# Altium PCB Levitador Magnetico.PcbDoc (part 1 of 3)
Units mm, origin at the board's own origin, x right, y up, seen from the top; angles counter-clockwise.
Board outline 150 x 150 mm, 2 copper layers (Top Layer, Bottom Layer), stack 1.571 mm thick; 249 components, 116 nets, 646 pads, 2428 vias.
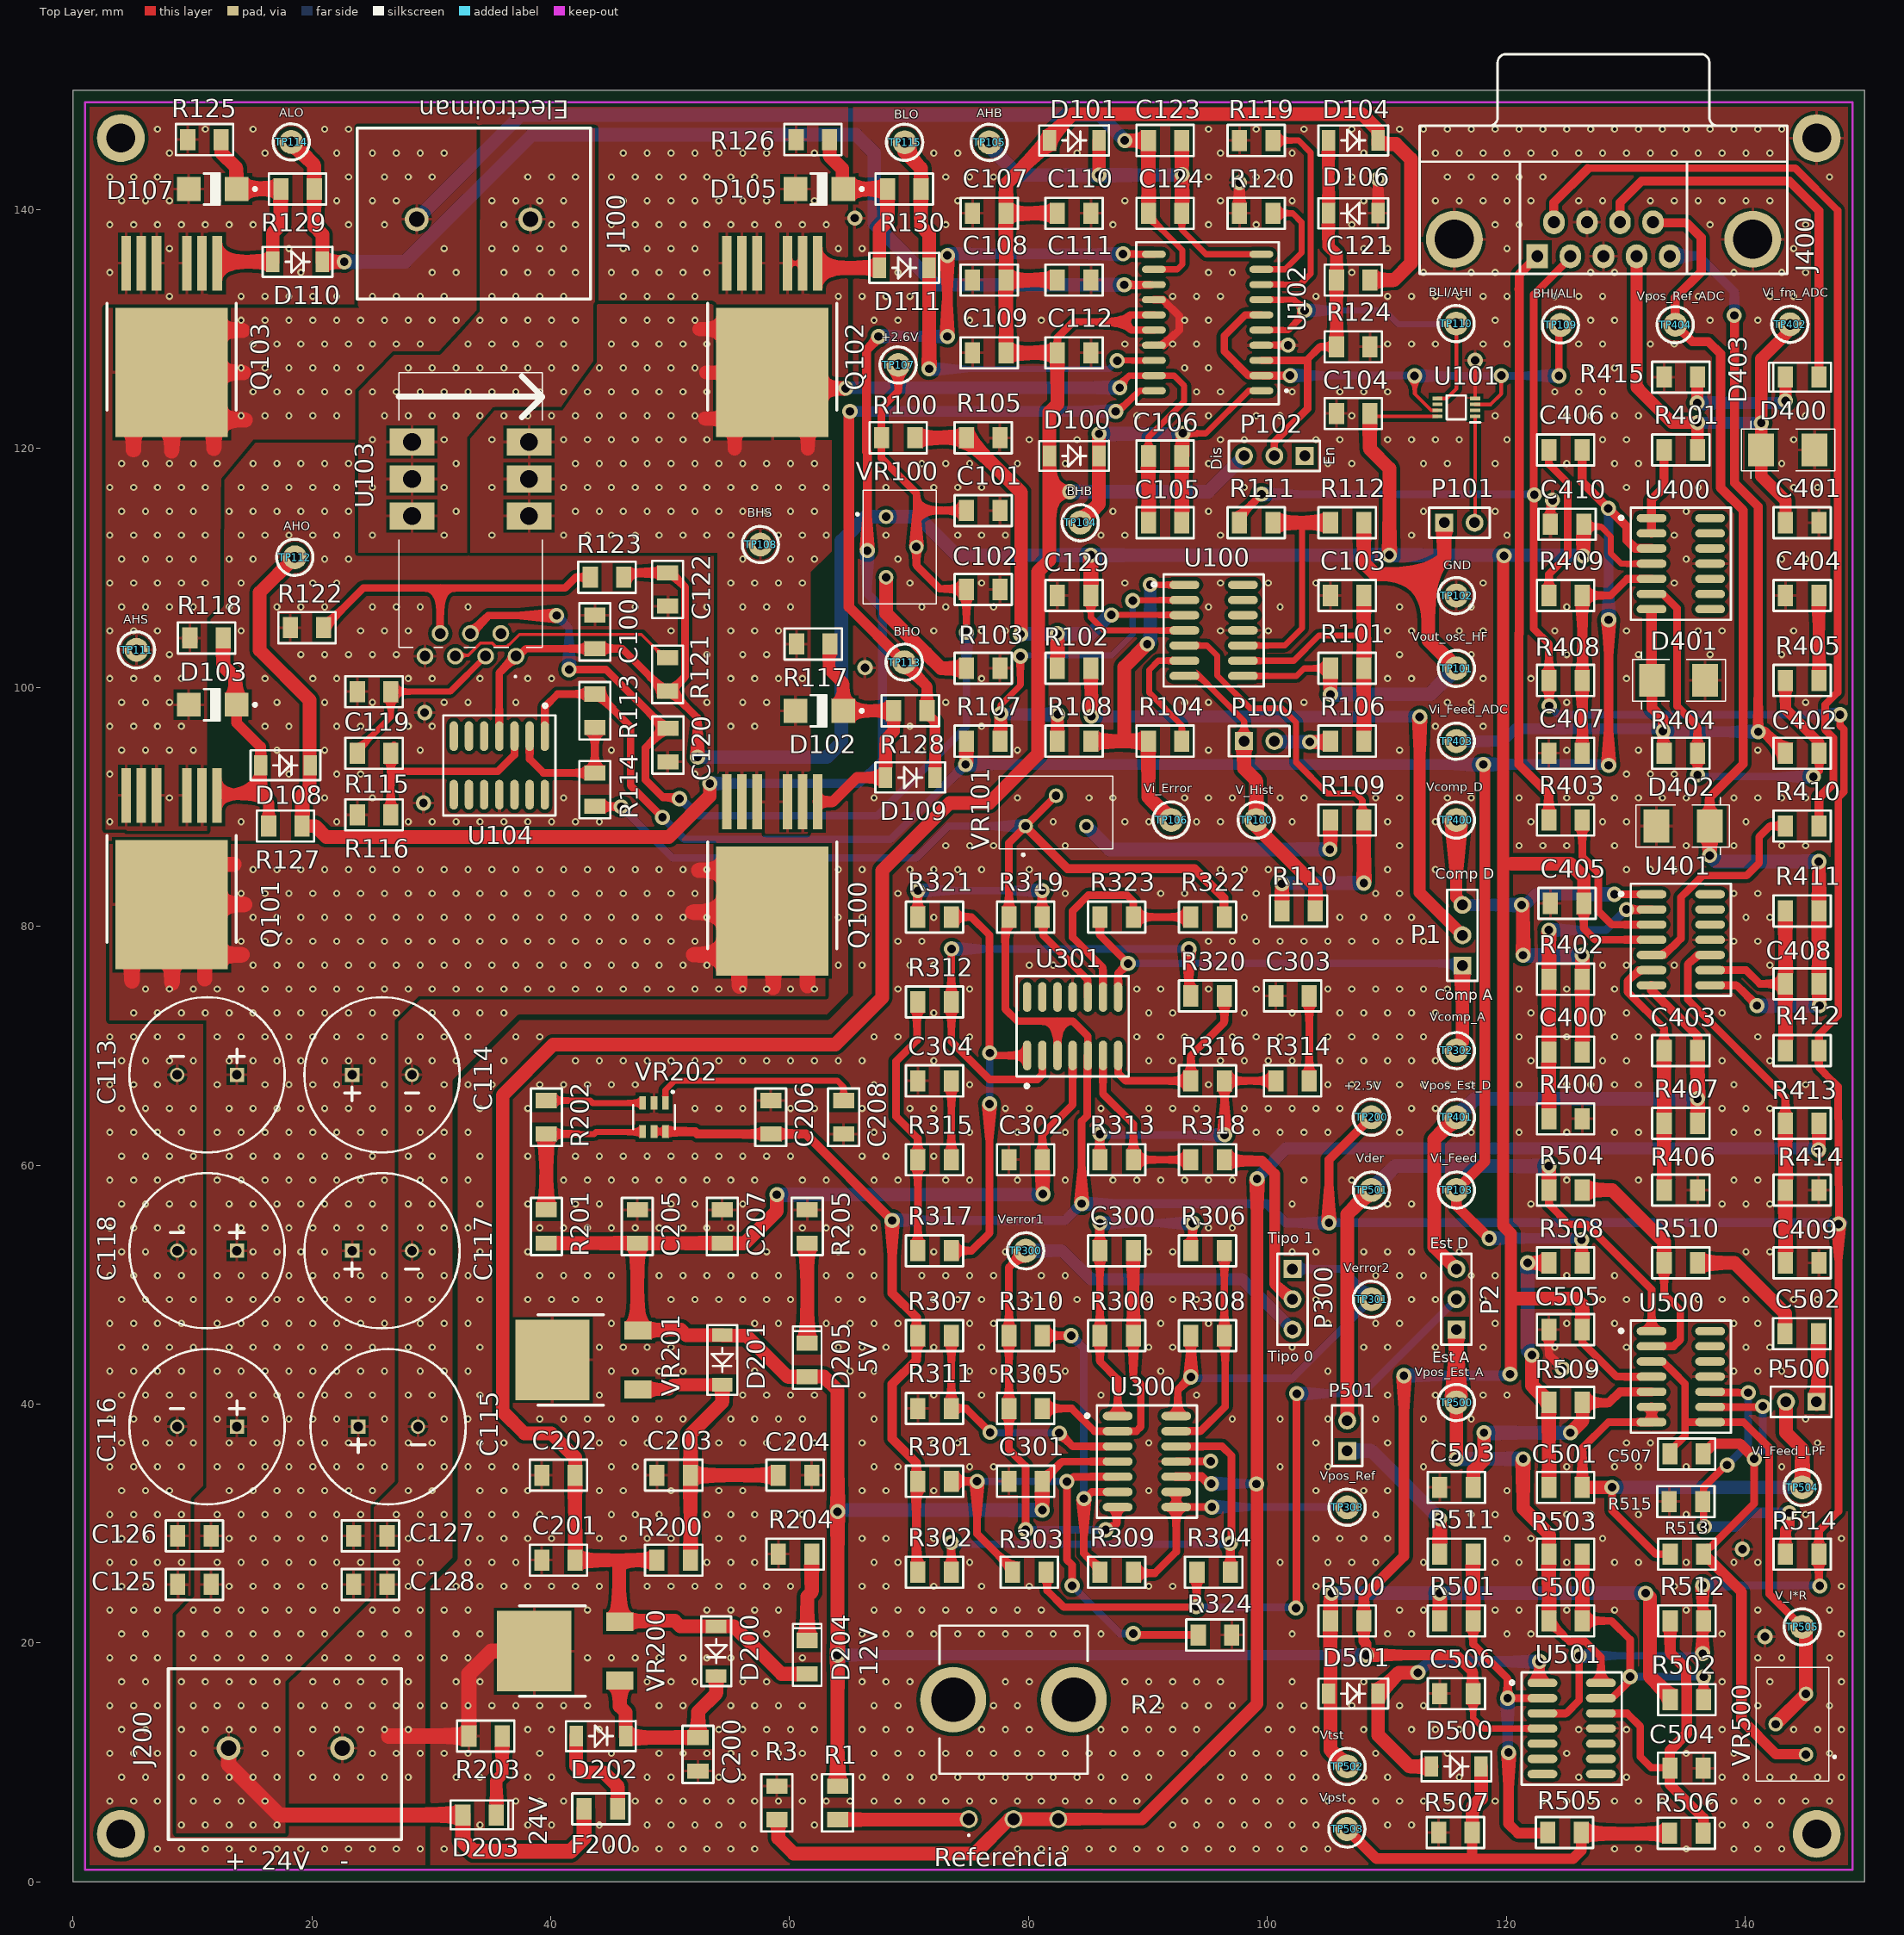
[diagram p0: Top Layer view]
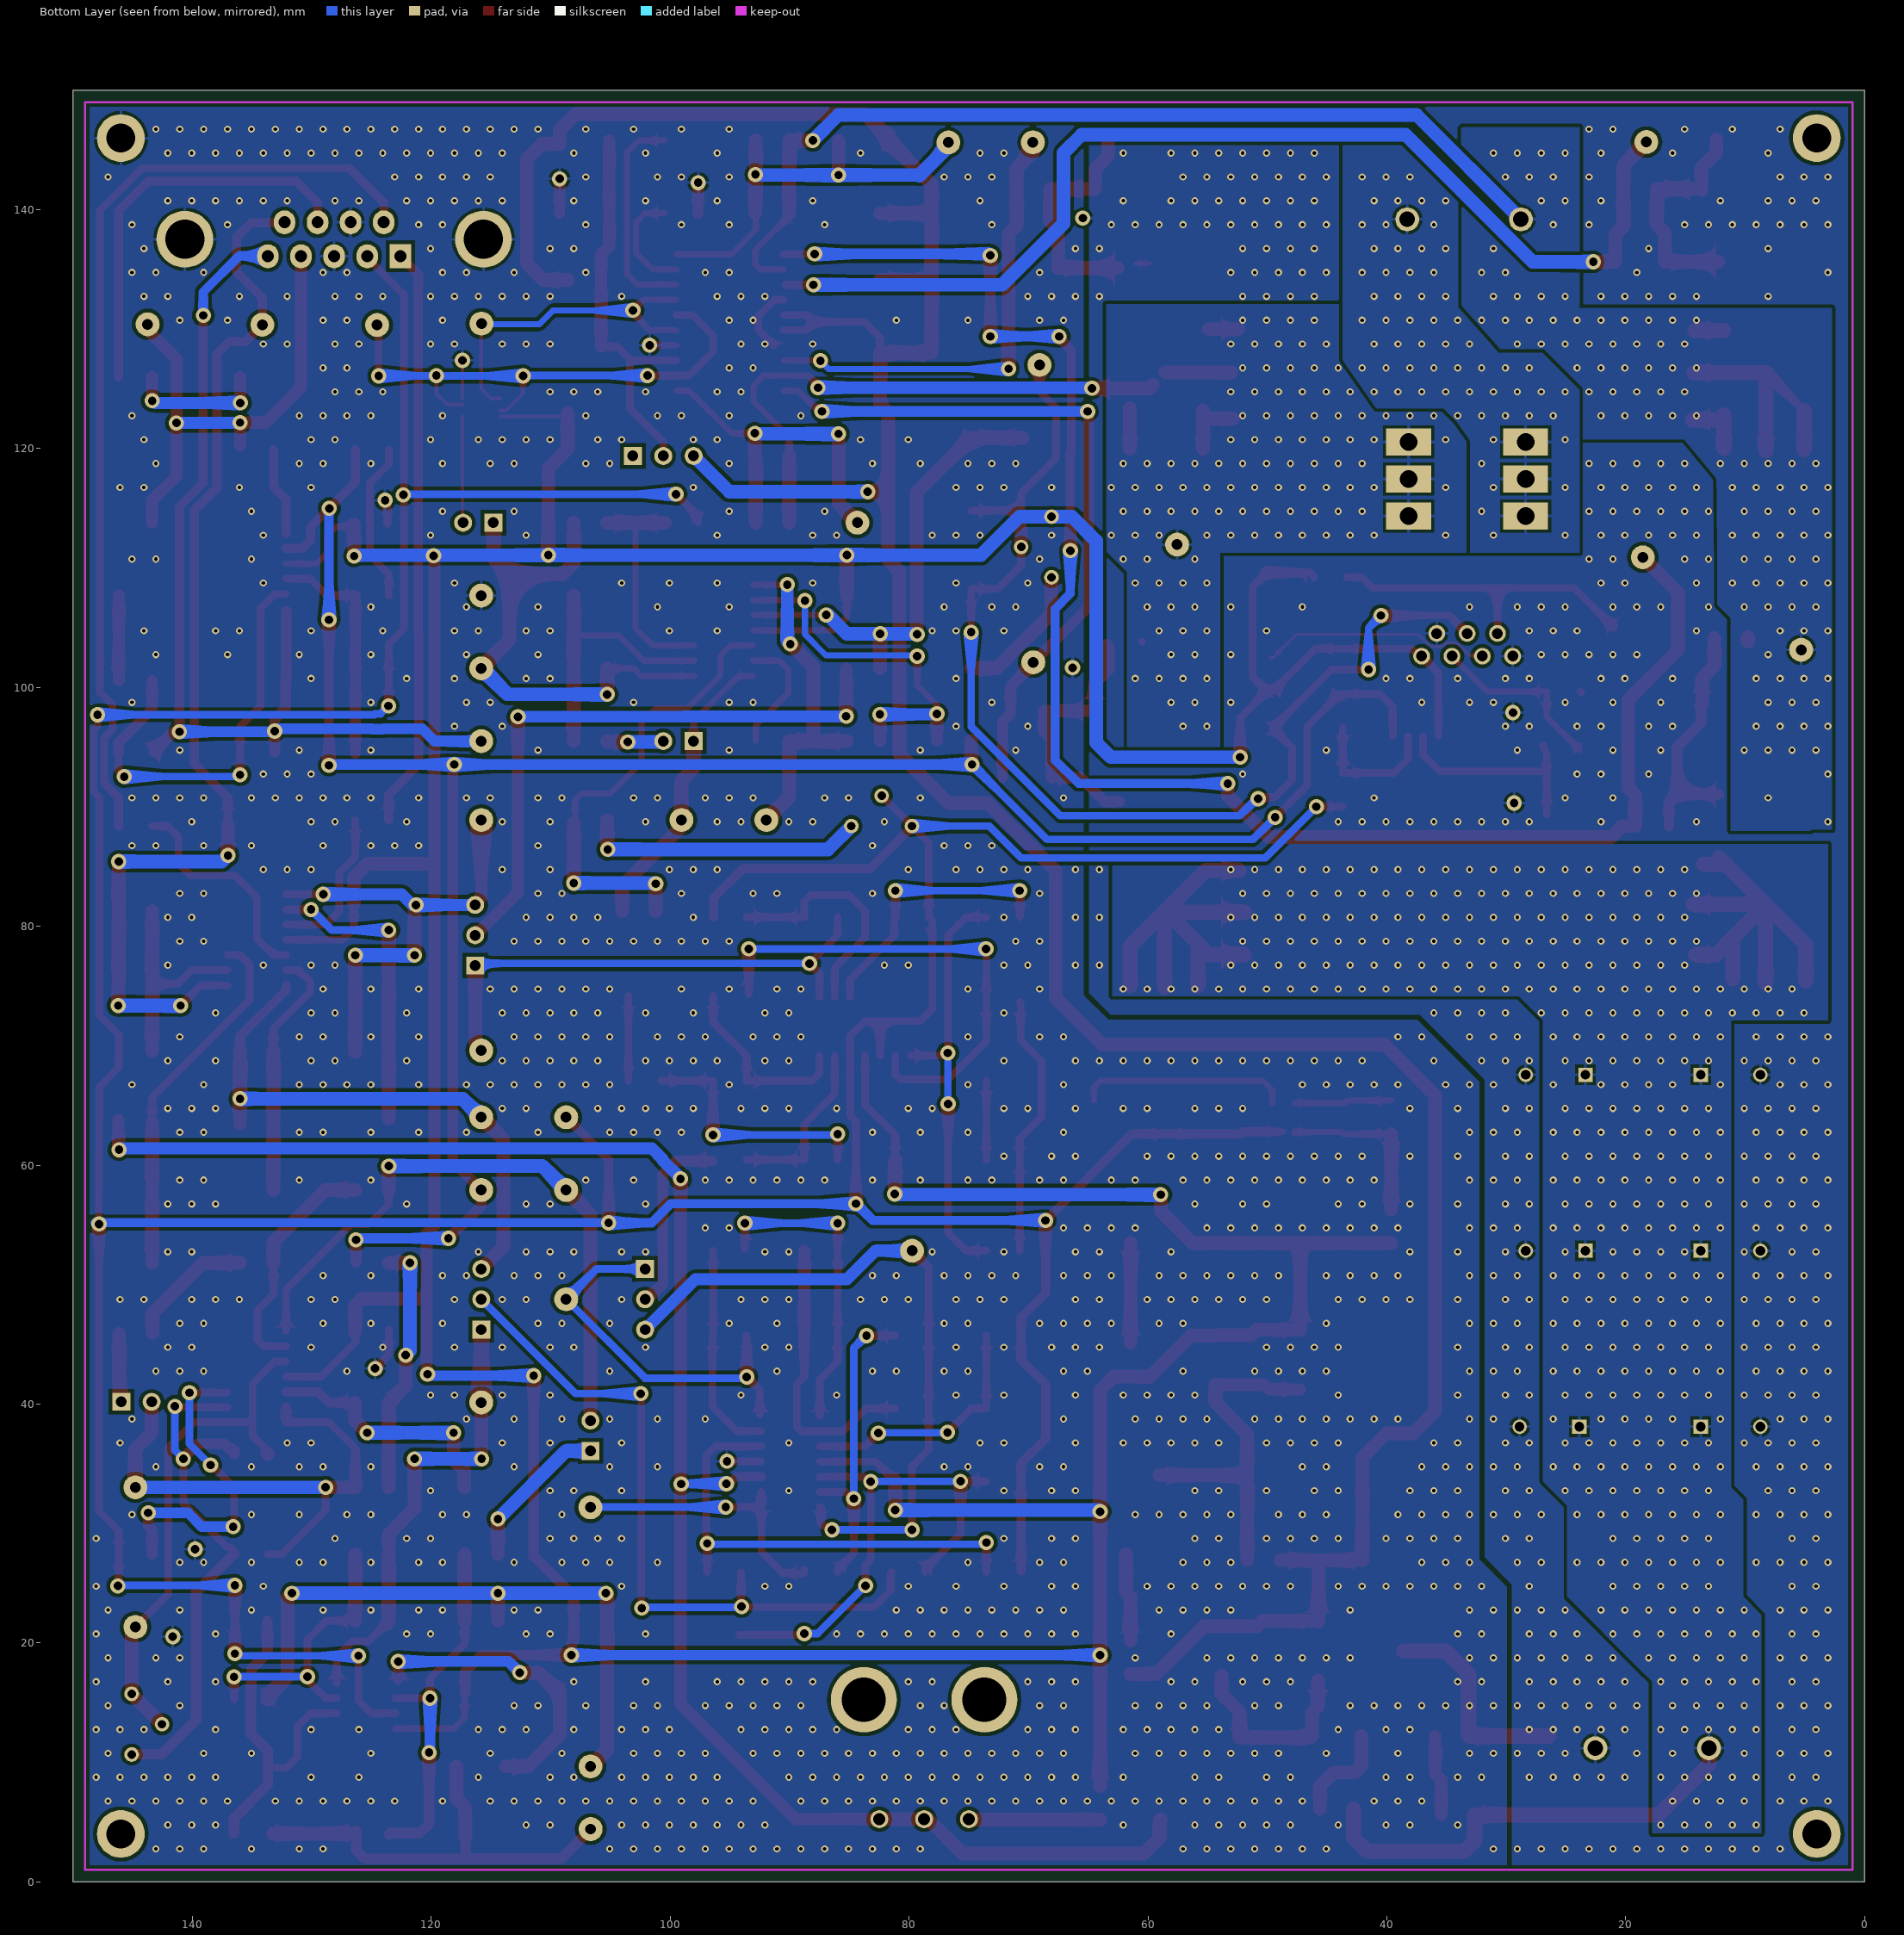
[diagram p1: Bottom Layer view, seen from below]
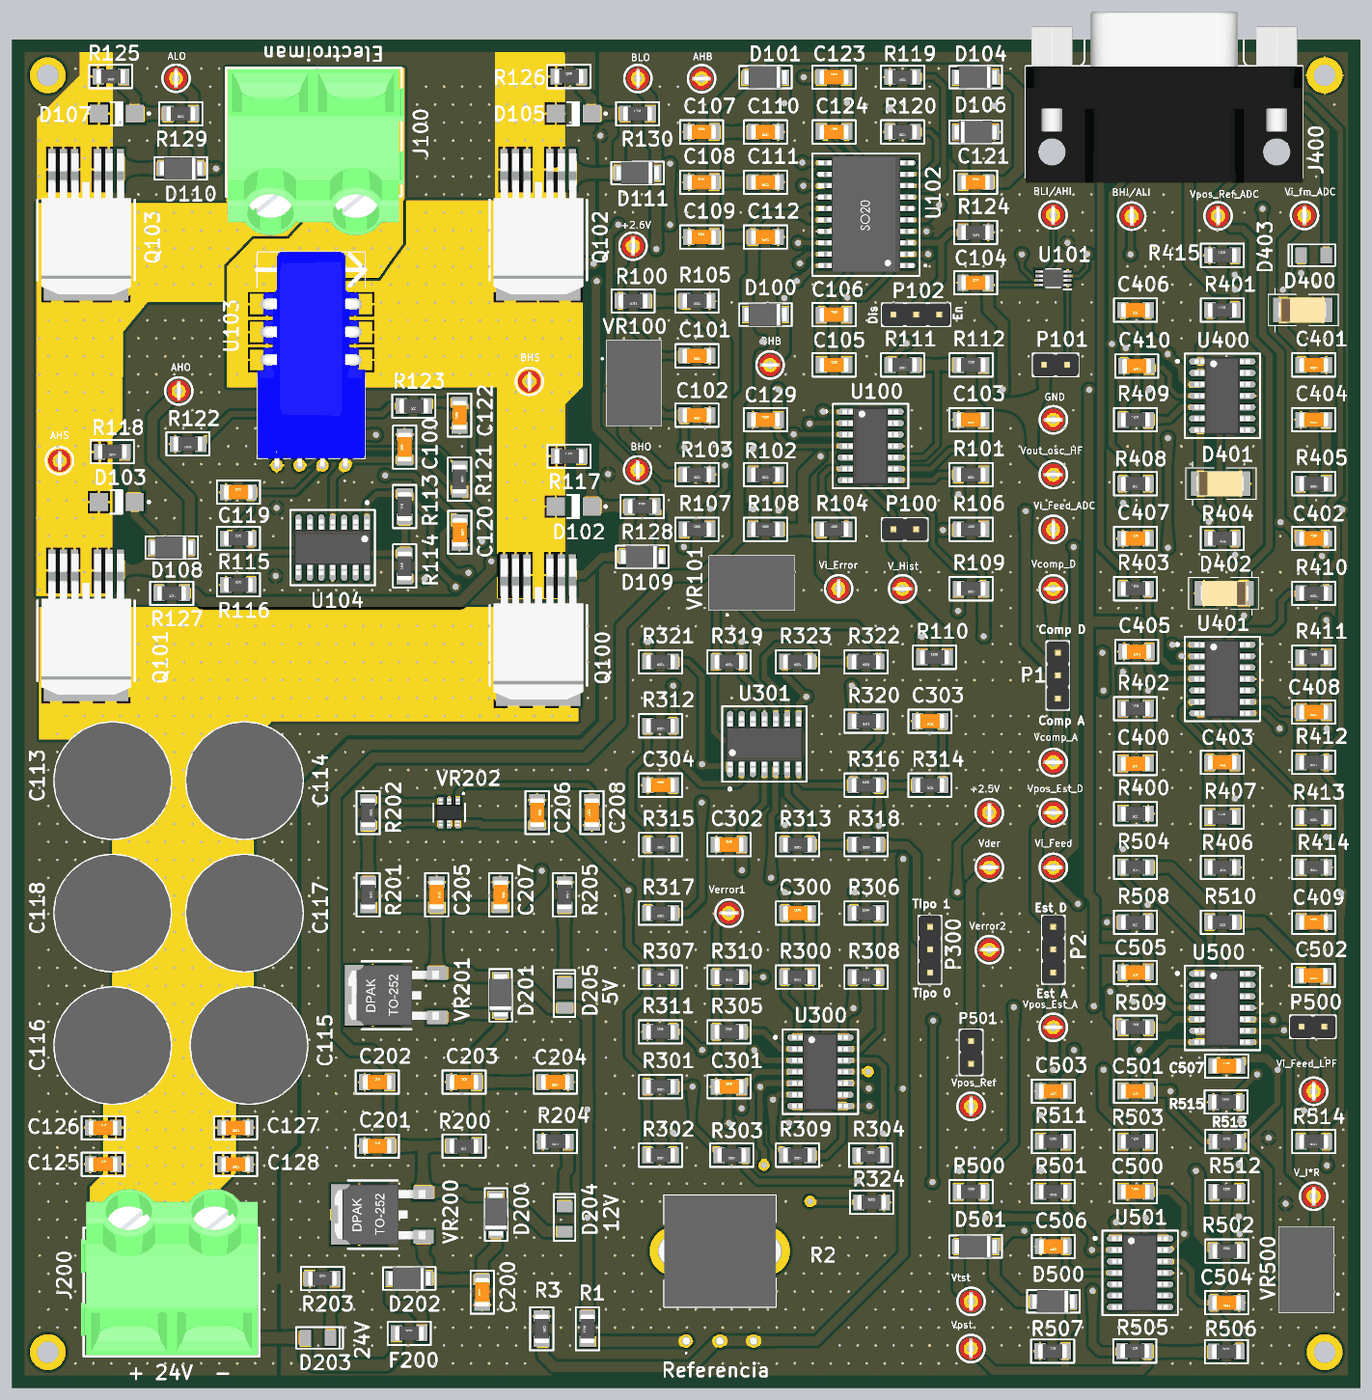
[diagram p4: 3D render of the assembled board from above, using the file's embedded part models]

## Layer stack, top to bottom
Top Solder: solder mask 0.0102, Solder Resist, Dk 3.5
Top Layer: signal copper 0.0356
Dielectric 1: dielectric 1.5, FR-4, Dk 4.2
Bottom Layer: signal copper 0.0356
Bottom Solder: solder mask 0.0102, Solder Resist, Dk 3.5

## Board outline
0,0 150,0 150,150 0,150

## Design rules (kind name [scope] priority, off if disabled: settings)
Clearance Clearance_B_U101 [InNet('BHI/ALI') And OnLayer('Top Layer')] p1: gap=0.305 ignorepadtopadclearanceinfootprint=FALSE except(0.152: Arc-Arc Arc-Track Arc-SMDPad Track-Track Track-SMDPad SMDPad-SMDPad)
Clearance Clearance_A_U101 [HasFootprint('SOP50P310X90-8N')] p2: gap=0.305 ignorepadtopadclearanceinfootprint=FALSE except(0.152: Arc-Arc Arc-Track Arc-SMDPad Track-Track Track-SMDPad SMDPad-SMDPad)
Clearance [All] p3: gap=0.254 ignorepadtopadclearanceinfootprint=FALSE except(0.305: Arc-Fill Arc-Poly Arc-Region Track-Fill Track-Poly Track-Region SMDPad-Fill SMDPad-Poly SMDPad-Region THPad-Fill THPad-Poly THPad-Region Via-Fill Via-Poly Via-Region Fill-Fill Fill-Poly Fill-Region Fill-Hole Poly-Poly Poly-Region Poly-Hole Region-Region Region-Hole)
Height [All] p1: minheight=0 maxheight=30 prefheight=12.7
HoleSize [All] p1: absolutevalues=TRUE maxlimit=6.2 minlimit=0.025 maxpercent=80.000 minpercent=20.000
MinimumSolderMaskSliver [All] p1: minsoldermaskwidth=0.15
PolygonConnect [All] p1: connectstyle=Relief reliefconductorwidth=0.254 reliefentries=4 polygonreliefangle="90 Angle" airgapwidth=0.254
RoutingVias [All] p1: holewidth=0.711 width=1.27 viastyle="Through Hole" minholewidth=0.3 minwidth=0.6 maxholewidth=6.2 maxwidth=7.62
SilkToSilkClearance [All] p1: silktosilkclearance=0.15
SilkToSolderMaskClearance [IsPad] p1: minsilkscreentomaskgap=0.15 clearancetoexposedcopper=TRUE
SolderMaskExpansion [All] p1: expansion=0.102
Width [All] p1: maxlimit=5.08 minlimit=0.254 preferedwidth=0.254
25 further rules are at their usual default settings.

## Classes and differential pairs
component class "U_Interfaz digital": C400 C401 C402 C403 C404 C405 C406 C407 C408 C409 C410 D400 D401 D402 D403 J400 R400 R401 R402 R403 R404 R405 R406 R407 R408 R409 R410 R411 R412 R413 R414 R415 TP400 TP401 TP402 TP403 TP404 U400 U401
component class "U_Puente H": C100 C113 C114 C115 C116 C117 C118 C119 C120 C122 C125 C126 C127 C128 D102 D103 D105 D107 D108 D109 D110 D111 J100 Q100 Q101 Q102 Q103 R113 R114 R115 R116 R117 R118 R121 R122 R123 R125 R126 R127 R128 R129 R130 TP112 TP113 TP114 TP115 U103 U104
component class U_Fuentes: C200 C201 C202 C203 C204 C205 C206 C207 C208 D200 D201 D202 D203 D204 D205 F200 J200 R200 R201 R202 R203 R204 R205 TP200 VR200 VR201 VR202
component class U_Estimador: C500 C501 C502 C503 C504 C505 C506 C507 D500 D501 P500 P501 R500 R501 R502 R503 R504 R505 R506 R507 R508 R509 R510 R511 R512 R513 R514 R515 TP500 TP501 TP502 TP503 TP504 TP505 U500 U501 VR500
component class "U_Controlador de corriente": C101 C102 C103 C104 C105 C106 C107 C108 C109 C110 C111 C112 C121 C123 C124 C129 D100 D101 D104 D106 P100 P101 P102 R100 R101 R102 R103 R104 R105 R106 R107 R108 R109 R110 R111 R112 R119 R120 R124 TP100 TP101 TP102 TP103 TP104 TP105 TP106 TP107 TP108 TP109 TP110 TP111 U100 U101 U102 VR100 VR101
component class U_Compensador: C300 C301 C302 C303 C304 P300 R300 R301 R302 R303 R304 R305 R306 R307 R308 R309 R310 R311 R312 R313 R314 R315 R316 R317 R318 R319 R320 R321 R322 R323 R324 TP300 TP301 TP302 TP303 U300 U301
component class Principal: P1 P2 R1 R2 R3

## Components (designator, comment, footprint, x,y, rotation, side; value= is the part's Value field where it differs from the comment)
C100 "Capacitor" C1206 43.688,104.648 r90 top value=0.1uF
C101 "Capacitor" C1206 76.2,114.808 r180 top value=1uF
C102 "Capacitor" C1206 76.2,108.204 r180 top value=0.1uF
C103 "Capacitor" C1206 106.68,107.696 r180 top value=900pF
C104 "Capacitor" C1206 107.188,122.936 r0 top value=0.1uF
C105 "Capacitor" C1206 91.44,113.792 r0 top value=5.6uF
C106 "Capacitor" C1206 91.44,119.38 r0 top value=5.6uF
C107 "Capacitor" C1206 76.708,139.7 r0 top value=2uF
C108 "Capacitor" C1206 76.708,134.112 r0 top value=2uF
C109 "Capacitor" C1206 76.708,128.016 r0 top value=2uF
C110 "Capacitor" C1206 83.82,139.7 r180 top value=0.1uF
C111 "Capacitor" C1206 83.82,134.112 r180 top value=0.1uF
C112 "Capacitor" C1206 83.82,128.016 r180 top value=0.1uF
C113 "EKY-350ELL102MK25S" CAPPRD500W60D1300H2650 13.716,67.564 r180 top value=2200uF
C114 "EKY-350ELL102MK25S" CAPPRD500W60D1300H2650 23.368,67.564 r0 top value=2200uF
C115 "EKY-350ELL102MK25S" CAPPRD500W60D1300H2650 23.876,38.1 r0 top value=2200uF
C116 "EKY-350ELL102MK25S" CAPPRD500W60D1300H2650 13.716,38.1 r180 top value=2200uF
C117 "EKY-350ELL102MK25S" CAPPRD500W60D1300H2650 23.368,52.832 r0 top value=2200uF
C118 "EKY-350ELL102MK25S" CAPPRD500W60D1300H2650 13.716,52.832 r180 top value=2200uF
C119 "Capacitor" C1206 25.2,99.644 r0 top value=4.7nF
C120 "Capacitor" C1206 49.809,95.174 r270 top value=47nF
C121 "Capacitor" C1206 107.188,134.112 r0 top value=10uF
C122 "Capacitor" C1206 49.784,108.204 r90 top value=47nF
C123 "Capacitor" C1206 91.44,145.796 r0 top value=5.6uF
C124 "Capacitor" C1206 91.44,139.7 r0 top value=5.6uF
C125 "Capacitor" C1206 10.16,24.892 r0 top value=0.1uF
C126 "Capacitor" C1206 10.16,28.956 r0 top value=0.1uF
C127 "Capacitor" C1206 24.892,28.956 r180 top value=0.1uF
C128 "Capacitor" C1206 24.892,24.892 r180 top value=0.1uF
C129 "Capacitor" C1206 83.82,107.696 r0 top value=0.1uF
C200 "Capacitor" C1206 52.324,10.668 r90 top value=1uF
C201 "Capacitor" C1206 40.64,26.924 r0 top value=22uF
C202 "Capacitor" C1206 40.64,34.036 r0 top value=22uF
C203 "Capacitor" C1206 50.292,34.036 r0 top value=22uF
C204 "Capacitor" C1206 60.452,34.036 r180 top value=220nF
C205 "Capacitor" C1206 47.244,54.864 r270 top value=47uF
C206 "Capacitor" C1206 58.42,64.008 r270 top value=0.1uF
C207 "Capacitor" C1206 54.356,54.864 r270 top value=0.1uF
C208 "Capacitor" C1206 64.516,64.008 r90 top value=0.1uF
C300 "Capacitor" C1206 87.376,52.832 r0 top value=22uF
C301 "Capacitor" C1206 79.756,33.528 r0 top value=0.1uF
C302 "Capacitor" C1206 79.756,60.452 r0 top value=0.1uF
C303 "Capacitor" C1206 102.108,74.168 r180 top value=1uF
C304 "Capacitor" C1206 72.136,67.056 r0 top value=1uF
C400 "Capacitor" C1206 124.968,69.469 r180 top value=18nF
C401 "Capacitor" C1206 144.78,113.792 r180 top value=150nF
C402 "Capacitor" C1206 144.78,94.488 r0 top value=270pF
C403 "Capacitor" C1206 134.62,69.596 r180 top value=18nF
C404 "Capacitor" C1206 144.78,107.696 r180 top value=1.6uF
C405 "Capacitor" C1206 125.095,81.915 r180 top value=0.1uF
C406 "Capacitor" C1206 124.968,119.888 r180 top value=1.6uF
C407 "Capacitor" C1206 124.968,94.488 r0 top value=270pF
C408 "Capacitor" C1206 144.78,75.184 r180 top value=16nF
C409 "Capacitor" C1206 144.78,51.816 r0 top value=16nF
C410 "Capacitor" C1206 125.095,113.665 r180 top value=0.1uF
C500 "Capacitor" C1206 124.968,21.844 r0 top value=10nF
C501 "Capacitor" C1206 124.968,33.02 r180 top value=1nF
C502 "Capacitor" C1206 144.749,45.89 r180 top value=1uF
C503 "Capacitor" C1206 115.824,33.02 r180 top value=470pF
C504 "Capacitor" C1206 135.098,9.507 r180 top value=10nF
C505 "Capacitor" C1206 124.968,46.228 r180 top value=0.1uF
C506 "Capacitor" C1206 115.824,15.748 r180 top value=0.1uF
C507 "Capacitor" C1206 135.099,35.816 r0 top value=5.14uF
D100 "RSX205LAM30TR" SODFL4725X105N 83.82,119.38 r180 top
D101 "RSX205LAM30TR" SODFL4725X105N 83.82,145.796 r180 top
D102 "SMAJ15A" ONSC-SMA-2-403D-02_F_V 62.484,98.044 r180 top
D103 "SMAJ15A" ONSC-SMA-2-403D-02_F_V 11.684,98.552 r180 top
D104 "RSX205LAM30TR" SODFL4725X105N 107.188,145.796 r180 top
D105 "SMAJ15A" ONSC-SMA-2-403D-02_F_V 62.484,141.732 r180 top
D106 "RSX205LAM30TR" SODFL4725X105N 107.188,139.7 r0 top
D107 "SMAJ15A" ONSC-SMA-2-403D-02_F_V 11.684,141.732 r180 top
D108 "RSX205LAM30TR" SODFL4725X105N 17.78,93.472 r180 top
D109 "RSX205LAM30TR" SODFL4725X105N 70.104,92.456 r180 top
D110 "RSX205LAM30TR" SODFL4725X105N 18.796,135.636 r180 top
D111 "RSX205LAM30TR" SODFL4725X105N 69.596,135.128 r180 top
D200 "RSX205LAM30TR" SODFL4725X105N 53.848,19.304 r90 top
D201 "RSX205LAM30TR" SODFL4725X105N 54.356,43.688 r90 top
D202 "RSX205LAM30TR" SODFL4725X105N 44.196,12.192 r180 top
D203 "LED" "LED 1206 RED" 34.036,5.588 r0 top
D204 "LED" "LED 1206 RED" 61.468,18.796 r90 top
D205 "LED" "LED 1206 RED" 61.468,43.688 r90 top
D400 "Diodo Zener" SMB 145.796,119.888 r0 top value=3V6
D401 "Diodo Zener" SMB 136.652,100.584 r0 top value=3V6
D402 "Diodo Zener" SMB 132.588,88.392 r180 top value=3V6
D403 "LED" "LED 1206 RED" 144.78,125.984 r180 top
D500 "RSX205LAM30TR" SODFL4725X105N 115.824,9.652 r180 top
D501 "RSX205LAM30TR" SODFL4725X105N 107.188,15.748 r180 top
F200 "Fuse" R1206 44.196,6.096 r0 top
J100 "Header 2" SMKDS5-2-9.5 33.528,139.192 r180 top
J200 "Header 2" SMKDS5-2-9.5 17.78,11.176 r0 top
J400 "DB9H" DB9H 122.604,136.105 r0 top
P1 "Header 3" HDR1X3 116.332,76.708 r90 top
P2 "Header 3" HDR1X3 115.824,46.228 r90 top
P100 "Header 2" HDR1X2 98.044,95.504 r0 top
P101 "Header 2" HDR1X2 114.808,113.792 r0 top
P102 "Header 3" HDR1X3 103.124,119.38 r180 top
P300 "Header 3" HDR1X3 102.108,51.308 r270 top
P500 "Header 2" HDR1X2 145.962,40.184 r180 top
P501 "Header 2" HDR1X2 106.68,36.068 r90 top
Q100 "IPB160N04" TO263-7S 58.547,81.28 r180 top
Q101 "IPB160N04" TO263-7S 8.255,81.803 r180 top
Q102 "IPB160N04" TO263-7S 58.547,126.365 r180 top